# Altium PCB Main_Board.PcbDoc (part 18 of 19)
Units mil, origin at the board's own origin, x right, y up, seen from the top; angles counter-clockwise.
Board outline 5306 x 6610 mil, 12 copper layers ((L1) Top, (L2) Inner 1, (L3) Inner 2, (L4) Inner 3, (L5) Inner 4, (L6) Inner 5, (L7) Inner 6, (L8) Inner 7, (L9) Inner 8, (L10) Inner 9, (L11) Inner 10, (L12) Bottom), stack 94.81 mil thick; 347 components, 571 nets, 2611 pads, 4053 vias.
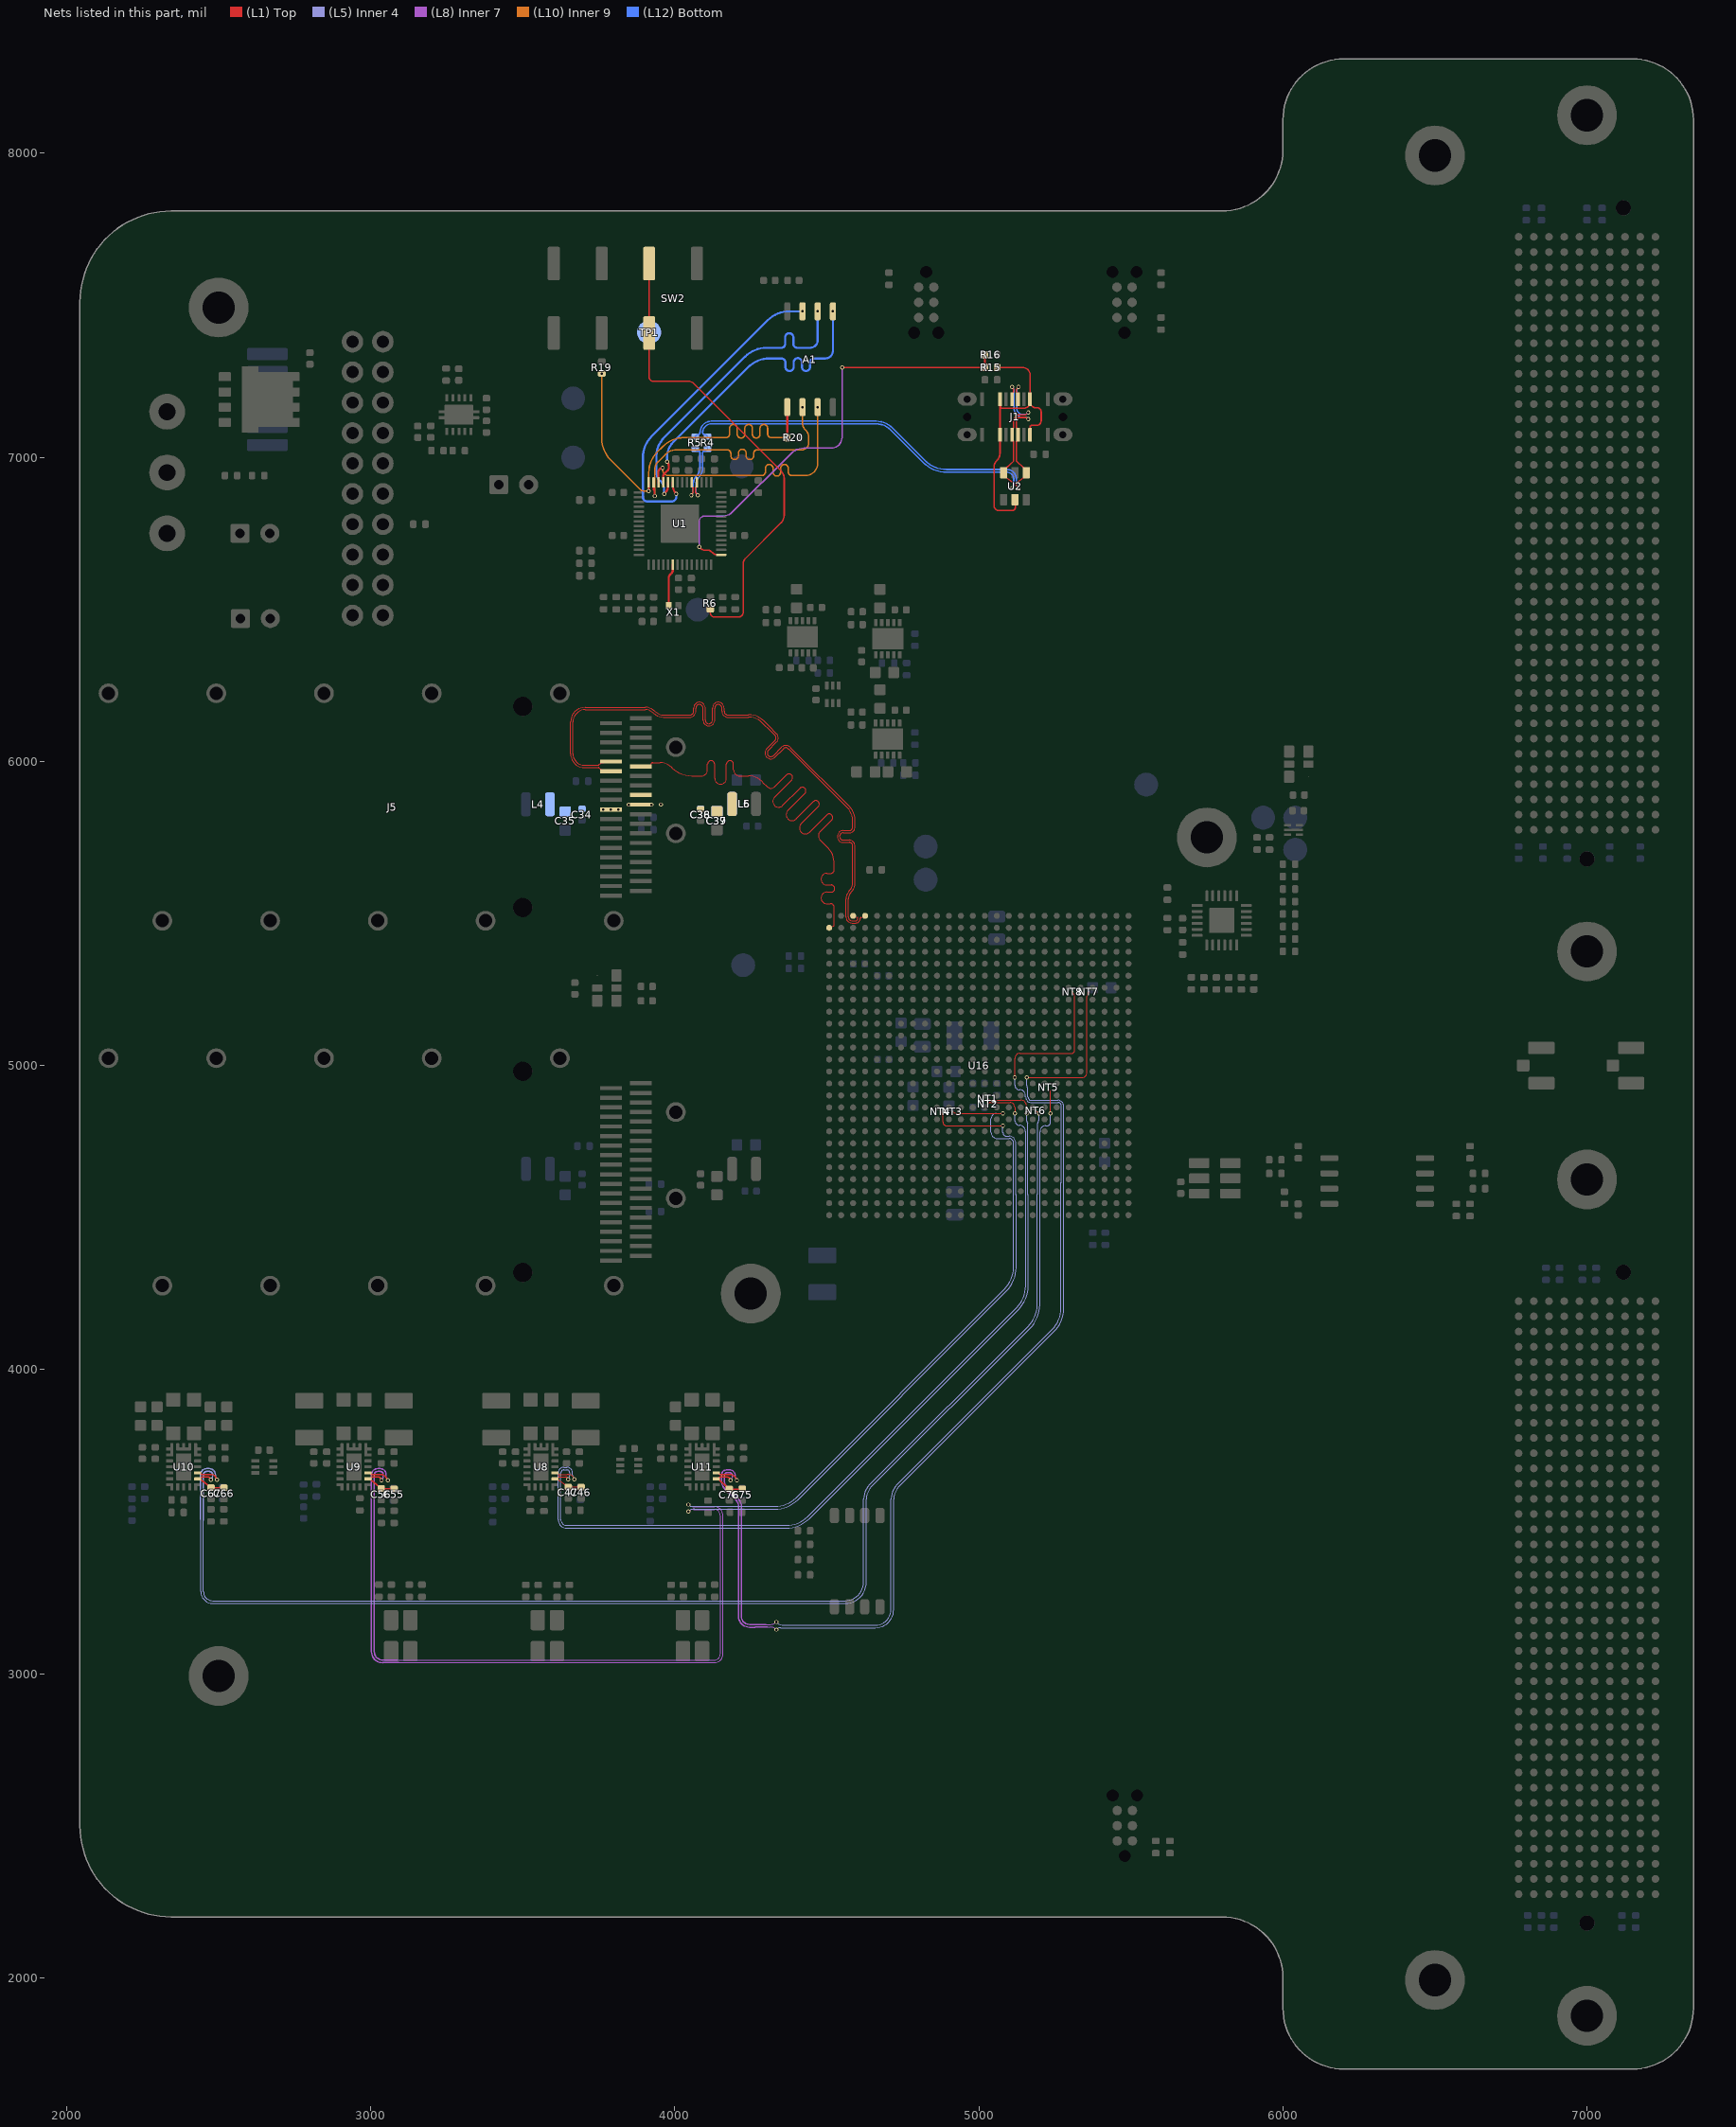
[diagram p28: the nets of this part, all layers, seen from the top]

## Via types
v1: diameter 13.78, hole 7.87, (L1) Top to (L12) Bottom, tented both sides, 4044 vias
v2: diameter 13.78, hole 7.87, (L1) Top to (L12) Bottom, tented bottom, 9 vias

## Nets (pads, with @x,y where several pads share a name; then routed paths per layer and width w, separated by ;. In a path a pad name is that pad's centre, name@x,y a point inside that pad or via, vN(x,y) a via of type N, cw(c..) or ccw(c..) an arc to the next point about the centre after c; other vN are vias at no path point) (continued)
QSFP_B_TX3_P: J5.33 U16.B1 | length 2056.2
  (L1) Top w3.5: J5.33@3888.58,5983.86 3922.27,5989 3924.12,5993.63 cw(c3927.37,5992.33) 3927.37,5995.83 3951.78,5995.83 cw(c3951.78,5941.78) 3990,5980 3991.08,5978.92 ccw(c4055,6042.86) 4034.71,5954.76 ccw(c4055,6042.86) 4055,5952.45 4083,5952.45 4088.53,5952.45 ccw(c4088.53,5971.75) 4107.83,5971.75 4107.83,5990.45 cw(c4119.58,5990.45) 4131.33,5990.45 4131.33,5944.18 ccw(c4150.63,5944.18) 4169.93,5944.18 4169.93,5990.45 cw(c4181.68,5990.45) 4193.43,5990.45 4193.43,5971.75 ccw(c4212.73,5971.75) 4212.73,5952.45 4235.35,5952.45 4242.3,5952.45 cw(c4242.3,5891.49) 4285.45,5934.55 4286.89,5933.11 4289.69,5930.31 4302.45,5917.55 ccw(c4316.12,5931.17) 4329.77,5917.52 4367.57,5955.32 cw(c4375.88,5947.01) 4384.18,5955.32 cw(c4375.88,5947.01) 4384.21,5938.73 4327.9,5882.42 ccw(c4341.55,5868.77) 4327.9,5855.12 ccw(c4341.55,5868.77) 4355.19,5855.12 ; 4355.21,5855.14 4411.48,5911.41 cw(c4419.79,5903.1) 4428.1,5911.41 cw(c4419.79,5903.1) 4428.12,5894.82 4371.81,5838.51 ccw(c4385.46,5824.86) 4371.81,5811.21 ccw(c4385.46,5824.86) 4399.1,5811.21 ; 4399.12,5811.23 4455.39,5867.5 cw(c4463.7,5859.19) 4472.03,5850.91 4415.72,5794.6 ccw(c4429.37,5780.95) 4415.72,5767.3 ccw(c4429.37,5780.95) 4443.02,5767.3 ; 4443.04,5767.32 4499.3,5823.59 cw(c4507.61,5815.28) 4515.92,5823.59 cw(c4507.61,5815.28) 4515.94,5806.99 4478.12,5769.17 ccw(c4491.77,5755.53) 4478.15,5741.85 4501.18,5718.82 4503.98,5716.02 4505.38,5714.62 cw(c4460.89,5670.02) 4523.88,5670.02 4523.88,5666 4523.88,5659.01 4523.98,5658.91 4523.98,5643.52 cw(c4512.23,5643.52) 4512.23,5631.77 4500.12,5631.77 ccw(c4500.12,5612.67) 4500.12,5593.57 4514.29,5593.57 cw(c4514.29,5581.82) 4514.29,5570.07 4500.12,5570.07 ccw(c4500.12,5550.97) 4500.12,5531.87 4512.23,5531.87 cw(c4512.23,5520.12) 4523.98,5520.12 4523.98,5518.29 4523.88,5518.19 4523.88,5514.69 4523.88,5461.45 ; U16.B1@4507.87,5452.76 4521.66,5458.13 4521.92,5458.26 ccw(c4520.38,5461.41) 4523.88,5461.38
QSFP_B_TX4_N: J5.5 U16.A4 | length 2120.6
  (L1) Top w3.5: J5.5@3790.16,5999.61 3756.47,5994.47 3751.04,5988.73 3750.76,5988.48 cw(c3748.47,5991.13) 3748.49,5987.63 3740,5987.63 3739.95,5987.58 3702.42,5987.58 cw(c3702.42,6025) 3665,6025 3665,6130 cw(c3705,6130) 3705,6170 3903.44,6170 cw(c3903.44,6132.44) 3930,6159 ccw(c3962.71,6191.71) 3962.71,6145.45 4044.56,6145.45 4050.09,6145.45 ccw(c4050.09,6164.75) 4069.39,6164.75 4069.39,6175.07 cw(c4081.14,6175.07) 4092.89,6175.07 4092.89,6135.57 ccw(c4112.19,6135.57) 4131.49,6135.57 4131.49,6175.07 cw(c4143.24,6175.07) 4154.99,6175.07 4154.99,6164.75 ccw(c4174.29,6164.75) 4174.29,6145.45 4195.53,6145.45 4243.2,6145.45 cw(c4243.2,6081.84) 4288.31,6126.69 4314.18,6100.82 4316.98,6098.02 4329.65,6085.35 cw(c4321.34,6077.04) 4329.65,6068.74 4302.31,6041.4 ccw(c4315.96,6027.76) 4302.31,6014.11 ccw(c4315.96,6027.76) 4329.61,6014.11 ; 4329.63,6014.13 4356.94,6041.44 cw(c4365.25,6033.13) 4373.56,6041.44 4374.66,6040.34 4377.46,6037.54 4568.56,5846.44 4568.62,5846.38 cw(c4529.08,5806.83) 4585,5806.42 ; 4585,5806.37 4585,5806 4585,5784.17 cw(c4573.25,5784.17) 4573.25,5772.42 4553.65,5772.42 ccw(c4553.65,5753.12) 4553.65,5733.82 4573.25,5733.82 cw(c4573.25,5722.07) 4585,5722.07 4585,5716.54 4585,5600.3 cw(c4549.7,5600.3) 4574.66,5575.34 ccw(c4602.74,5547.26) 4563.03,5547.26 4563.03,5488.62 ccw(c4583,5488.62) 4583,5468.65 4595.03,5468.65 ccw(c4595.03,5483.59) 4609.97,5483.59 cw(c4613.47,5483.59) 4612.2,5486.85 U16.A4@4625.98,5492.13
QSFP_B_TX4_P: J5.6 U16.A3 | length 2133.3
  (L1) Top w3.5: 3739.85,5980.23 3739.85,5980.03 ; 3739.95,5980.03 3739.85,5980.03 ; 3740,5980.08 3748.49,5980.08 cw(c3748.47,5976.58) 3750.75,5979.24 3751.04,5978.99 3756.47,5973.25 J5.6@3790.16,5968.11 ; U16.A3@4586.61,5492.13 4600.38,5486.86 cw(c4599.12,5483.59) 4602.62,5483.59 cw(c4595.03,5483.59) 4595.03,5476 4583,5476 cw(c4583,5488.62) 4570.38,5488.62 4570.38,5514.69 4570.58,5514.89 4570.58,5547.26 cw(c4602.74,5547.26) 4580,5570 ccw(c4549.7,5600.3) 4592.55,5600.3 4592.55,5716.54 4592.55,5722.07 ccw(c4573.25,5722.07) 4573.25,5741.37 4553.65,5741.37 cw(c4553.65,5753.12) 4553.65,5764.87 4573.25,5764.87 ccw(c4573.25,5784.17) 4592.55,5784.17 4592.55,5806 4592.55,5806.36 ccw(c4529.08,5806.83) 4573.97,5851.71 4573.91,5851.77 4382.8,6042.87 4380,6045.67 4378.9,6046.78 ccw(c4365.25,6033.13) 4351.6,6046.78 4324.24,6019.42 cw(c4315.96,6027.76) 4307.65,6019.45 cw(c4315.96,6027.76) 4307.65,6036.06 4334.98,6063.4 ccw(c4321.34,6077.04) 4334.99,6090.69 4322.32,6103.36 4319.51,6106.16 4293.65,6132.02 4293.61,6132.06 ccw(c4243.2,6081.84) 4243.2,6153 4195.53,6153 4174.29,6153 cw(c4174.29,6164.75) 4162.54,6164.75 4162.54,6175.07 ccw(c4143.24,6175.07) 4123.94,6175.07 4123.94,6135.57 cw(c4112.19,6135.57) 4100.44,6135.57 4100.44,6175.07 ccw(c4081.14,6175.07) 4061.84,6175.07 4061.84,6164.75 cw(c4050.09,6164.75) 4050.09,6153 4044.56,6153 3962.71,6153 cw(c3962.71,6191.71) 3935.34,6164.34 ccw(c3903.44,6132.44) 3903.44,6177.55 3705,6177.55 ccw(c3705,6130) 3657.45,6130 3657.45,6025 ccw(c3702.42,6025) 3702.42,5980.03 3739.85,5980.03
QSFP_B_VCCA1: C38.2 C39.2 J5.30 L6.1
QSFP_B_VCCRX: C34.2 C35.2 J5.10 L4.1
  other v1: 3765.16,5842.13 3790.16,5842.13 3815.16,5842.13
QSFP_B_VCCTX: C36.2 C37.2 J5.29 L5.1
  other v1: 3848.15,5857.87 3924.02,5857.87 3955,5858
RP2040_ECLK: U1.20 X1.3 | length 138.5
  (L1) Top w7: X1.3@3980.16,6512.31 3980.16,6601.9 cw(c4000.11,6601.9) 3985.98,6615.98 3990.17,6620.17 ccw(c3982.43,6627.91) 3993.38,6627.91 U1.20@3993.38,6646.67
RP2040_RUN: R6.2 SW2.1 SW2.2 TP1.1 | length 1594.5
  (L1) Top w4: SW2.2@3915.78,7408.83 SW2.1@3915.78,7637.17
  (L1) Top w5: SW2.2@3915.78,7408.83 ccw(c3915.78,7408.05) 3915,7408.05 3915,7265 ccw(c3930,7265) 3930,7250 4045,7250 cw(c4045,7225.86) 4062.07,7242.93 4350,6955 cw(c4325.86,6930.86) 4360,6930.86 4360,6810 cw(c4323.79,6810) 4349.39,6784.39 4232.07,6667.07 ccw(c4249.14,6650) 4225,6650 4225,6490 cw(c4210,6490) 4210,6475 4130,6475 cw(c4130,6488.14) 4116.86,6488.14 R6.2@4116.86,6500.15
  other v1: 3915.58,7410.79
RP2040_SPI_C\S\: A1.1 R19.2 R20.1 U1.56 | length 1366.1
  (L1) Top w7: v1(3914.55,6889.06) 3914.59,6889.11 U1.56@3914.64,6917.33 U1.56@3914.64,6917.33 ; v1(4369.92,7064.66) 4370,7064.66 A1.1@4370,7165.04
  (L10) Inner 9 w5: v1(3760,7275) 3760,7061.42 ccw(c3860,7061.42) 3789.29,6990.71 3885,6895 ccw(c3899.34,6909.34) 3899.34,6889.06 v1(3914.55,6889.06) 3914.55,6949.14 cw(c4012.1,6949.14) 3943.12,7018.12 3960.37,7035.37 cw(c4031.08,6964.66) 4031.08,7064.66 4165.38,7064.66 4167.88,7064.66 ccw(c4167.88,7077.16) 4180.38,7077.16 4180.38,7095.47 cw(c4192.88,7095.47) 4205.38,7095.47 4205.38,7075.97 ccw(c4217.88,7075.97) 4230.38,7075.97 4230.38,7095.47 cw(c4242.88,7095.47) 4255.38,7095.47 4255.38,7075.97 ccw(c4267.88,7075.97) 4280.38,7075.97 4280.38,7095.47 cw(c4292.88,7095.47) 4305.38,7095.47 4305.38,7077.16 ccw(c4317.88,7077.16) 4317.88,7064.66 4345,7064.66 v1(4369.92,7064.66)
RP2040_SPI_CLK: A1.6 U1.52 | length 1046.3
  (L1) Top w7: v1(3965,6880) 3970,6885 ccw(c3951.58,6903.42) 3977.63,6903.42 U1.52@3977.63,6917.33
  (L12) Bottom w7: v1(3965,6880) 3965,6895.86 ccw(c3930.86,6895.86) 3955,6920 3947.07,6927.93 cw(c3964.14,6945) 3940,6945 3940,7004.64 cw(c4025.36,7004.64) 3965,7065 4230.71,7330.71 cw(c4301.42,7260) 4301.42,7360 4345.99,7360 4349.49,7360 ccw(c4349.49,7373.5) 4362.99,7373.5 4362.99,7394.65 cw(c4376.49,7394.65) 4389.99,7394.65 4389.99,7373.5 ccw(c4403.49,7373.5) 4403.49,7360 4421.46,7360 4445,7360 ccw(c4445,7385) 4470,7385 v1(4470,7480)
RP2040_SPI_D0: A1.5 U1.53 | length 1046.3
  (L1) Top w7: U1.53@3961.88,6917.33 3961.88,6937.47 cw(c3972.53,6937.47) 3965,6945 3976.46,6956.46 ccw(c3967.93,6965) 3980,6965 3980,6972.93 ccw(c3962.93,6972.93) v1(3975,6985)
  (L12) Bottom w7: v1(3975,6985) 3975,7001.72 cw(c4043.28,7001.72) 3995,7050 4240.71,7295.71 cw(c4311.42,7225) 4311.42,7325 4320,7325 4350.5,7325 cw(c4350.5,7311.5) 4364,7311.5 4364,7297.19 ccw(c4377.5,7297.19) 4391,7297.19 4391,7312.82 cw(c4404.5,7312.82) 4418,7312.82 4418,7297.19 ccw(c4431.5,7297.19) 4445,7297.19 4445,7311.5 cw(c4458.5,7311.5) 4458.5,7325 4484,7325 4495,7325 ccw(c4495,7350) 4520,7350 v1(4520,7480)
RP2040_SPI_D1: A1.2 U1.55 | length 899.5
  (L1) Top w7: U1.55@3930.39,6917.33 3930.39,6897.75 ccw(c3937.39,6897.75) 3930.82,6895.32 cw(c3914.55,6889.06) 3931.3,6893.89 cw(c3925.05,6887.65) 3933.89,6887.65 v1(3933.89,6872.69)
  (L10) Inner 9 w5: v1(3933.89,6872.69) 3933.89,6959.38 cw(c3968.9,6959.38) 3944.14,6984.14 3970,7010 cw(c4006.21,6973.79) 4006.21,7025 4144.37,7025 4171.87,7025 cw(c4171.87,7012.5) 4184.37,7012.5 4184.37,7005.25 ccw(c4196.87,7005.25) 4209.37,7005.25 4209.37,7014.18 cw(c4221.87,7014.18) 4234.37,7014.18 4234.37,7005.25 ccw(c4246.87,7005.25) 4259.37,7005.25 4259.37,7012.5 cw(c4271.87,7012.5) 4271.87,7025 4330,7025 4420,7025 ccw(c4420,7045) 4440,7045 4440,7065.86 ccw(c4405.86,7065.86) 4430,7090 cw(c4454.14,7114.14) 4420,7114.14 v1(4420,7165)
  (L12) Bottom w7: v1(3933.89,6872.69) ccw(c3937.69,6872.69) v1@3935,6870
RP2040_SPI_D2: A1.3 U1.54 | length 896.3
  (L1) Top w7: U1.54@3946.13,6917.33 3946.13,6951.13 cw(c3960,6951.13) v1(3960,6965)
  (L10) Inner 9 w5: v1(3960,6965) 3960,6960 ccw(c3980,6960) 3980,6940 4241.28,6940 4285.68,6940 ccw(c4285.68,6952.5) 4298.18,6952.5 4298.18,6964.03 cw(c4310.68,6964.03) 4323.18,6964.03 4323.18,6950.91 ccw(c4335.68,6950.91) 4348.18,6950.91 4348.18,6964.03 cw(c4360.68,6964.03) 4373.18,6964.03 4373.18,6952.5 ccw(c4385.68,6952.5) 4385.68,6940 4413.19,6940 4430,6940 ccw(c4430,6980) 4470,6980 v1(4470,7165)
RP2040_SPI_D3: A1.7 U1.51 | length 1046.2
  (L1) Top w7: U1.51@3993.38,6917.33 3993.38,6908.06 ccw(c4033.06,6908.06) v1(4005,6880)
  (L12) Bottom w7: v1(4005,6880) 4005,6870 cw(c3990,6870) 3990,6855 3910,6855 cw(c3910,6870) 3895,6870 3895,6998.58 cw(c3995,6998.58) 3924.29,7069.29 4305.71,7450.71 cw(c4376.42,7380) 4376.42,7480 v1(4420,7480)
RP2040_USB_N: R4.2 U1.46 | length 215
  (L1) Top w5: U1.46@4072.12,6917.33 4072.12,6906.49 cw(c4066.23,6906.49) 4070.39,6902.32 ccw(c4074.56,6898.16) 4068.67,6898.16 4068.67,6885.83 ccw(c4073.67,6885.83) 4069.7,6882.78 v1(4075.68,6875)
  (L12) Bottom w5: v1(4075.68,6875) ccw(c4072.47,6875) 4074.74,6877.27 cw(c4086.93,6889.46) 4069.69,6889.46 4069.69,6912.94 cw(c4098.06,6912.94) 4078,6933 4078.08,6933.08 ccw(c4044.69,6966.47) 4091.91,6966.47 4091.91,7014.46 cw(c4098.9,7014.46) 4093.96,7019.41 4094.02,7019.47 cw(c4098.81,7014.69) 4098.81,7021.45 ccw(c4098.81,7028.22) 4103.58,7023.43 R4.2@4108,7027.85
RP2040_USB_P: R5.1 U1.47 | length 214.2
  (L1) Top w5: v1(4054.85,6875) cw(c4060.54,6875) 4056.51,6879.01 4057.34,6879.84 ccw(c4051.34,6885.83) 4059.82,6885.83 4059.82,6898.16 ccw(c4053.93,6898.16) 4058.09,6902.32 cw(c4062.26,6906.49) 4056.37,6906.49 U1.47@4056.37,6917.33
  (L12) Bottom w5: v1(4054.85,6875) cw(c4058.07,6875) 4055.79,6877.27 ccw(c4043.61,6889.46) 4060.84,6889.46 4060.84,6913 cw(c4097.93,6913) 4071.7,6939.22 4071.74,6939.26 ccw(c4044.42,6966.58) 4083.06,6966.58 4083.06,7014.46 ccw(c4076.07,7014.46) 4081.01,7019.41 4080.94,7019.47 ccw(c4076.16,7014.69) 4076.16,7021.45 cw(c4076.16,7028.22) 4071.39,7023.43 R5.1@4066.97,7027.85
USB_CONN: R15.1 R16.2 U1.29 | length 1493.6
  (L1) Top w4: v1(4080,6705) 4085,6700 ccw(c4097.07,6712.07) 4097.07,6695 4110,6695 cw(c4110,6682.93) 4118.54,6691.46 4125,6685 ccw(c4137.95,6697.95) 4137.95,6679.64 U1.29@4152.33,6679.64 ; v1(4550,7295) 5018.89,7295 ccw(c5018.89,7296.03) R15.1@5019.92,7296.03
  (L1) Top w5: R15.1@5019.92,7296.03 R16.2@5019.92,7337.07
  (L8) Inner 7 w4: v1(4080,6705) 4080,6787 cw(c4100,6787) 4100,6807 4158.62,6807 ccw(c4158.62,6851.38) 4190,6820 4382.32,7012.32 cw(c4425,6969.64) 4425,7030 4515,7030 ccw(c4515,7065) 4550,7065 v1(4550,7295)
USB_N: J1.A7 J1.B7 R4.1 U2.3 | length 1643.2
  (L1) Top w5: v1(5109.61,6898) cw(c5115.35,6898) 5111.29,6902.06 5112.09,6902.86 ccw(c5106.1,6908.85) 5114.57,6908.85 5114.57,6913.45 ccw(c5109.57,6913.45) 5112.54,6917.48 ; 5112.52,6917.5 5090.46,6933.54 U2.3@5081.6,6949.29 5090.46,6965.04 5114.57,6988 5114.57,7048.55 ccw(c5105.33,7048.55) 5111.87,7055.09 cw(c5118.41,7061.63) 5109.16,7061.63 J1.B7@5109.16,7074.54 5109.16,7087.44 cw(c5118.41,7087.44) 5111.87,7093.98 ccw(c5105.33,7100.52) 5114.58,7100.52 5114.57,7119.43 cw(c5135,7119.43) 5135,7139.85 5152.17,7139.85 ccw(c5152.17,7144.85) 5155.22,7140.88 v1(5163,7146.86) ; J1.A7@5128.84,7191.46 5128.84,7204.37 ccw(c5119.59,7204.37) 5126.13,7210.91 cw(c5132.67,7217.45) 5123.42,7217.45 5123.43,7221.17 cw(c5128.43,7221.17) 5124.46,7224.22 v1(5130.44,7232)
  (L12) Bottom w5: R4.1@4108,7068 4103.58,7072.42 ccw(c4098.81,7067.63) 4098.81,7074.4 cw(c4098.81,7081.16) 4094.02,7076.38 cw(c4099.13,7081.48) 4091.91,7081.48 cw(c4120.43,7081.48) 4120.43,7110 4661.72,7110 cw(c4661.72,7041.72) 4710,7090 4817,6983 ccw(c4893.9,7059.9) 4893.9,6951.15 5091.85,6951.15 cw(c5091.85,6928) 5115,6928 5115,6908.11 cw(c5106.82,6908.11) 5112.6,6902.32 5110.55,6900.27 ccw(c5112.82,6898) v1(5109.61,6898) ; v1(5130.44,7232) cw(c5127.22,7232) 5129.5,7229.73 ccw(c5141.68,7217.54) 5124.45,7217.54 5124.45,7161.48 ccw(c5145.06,7161.48) 5130.48,7146.91 ccw(c5145.06,7161.48) 5145.06,7140.87 5151.45,7140.87 ccw(c5151.45,7151.1) v1@5158.68,7143.87
USB_P: J1.A6 J1.B6 R5.2 U2.1 | length 1670.6
  (L1) Top w5: J1.A6@5109.16,7191.46 5109.16,7204.37 cw(c5118.41,7204.37) 5111.87,7210.91 ccw(c5105.33,7217.45) 5114.58,7217.45 5114.57,7221.17 ccw(c5106.1,7221.17) 5112.09,7227.16 5111.27,7227.99 cw(c5115.29,7232) v1(5109.61,7232) ; 5125.45,6917.48 ccw(c5128.43,6913.45) 5123.43,6913.45 5123.43,6908.85 ccw(c5128.43,6908.85) 5124.46,6905.81 v1(5130.44,6898) ; 5125.48,6917.5 5147.54,6933.54 U2.1@5156.4,6949.29 5147.54,6965.04 5123.43,6988 5123.43,7048.55 cw(c5132.67,7048.55) 5126.13,7055.09 ccw(c5119.59,7061.63) 5128.84,7061.63 J1.B6@5128.84,7074.54 5128.84,7087.44 ccw(c5119.59,7087.44) 5126.13,7093.98 cw(c5132.67,7100.52) 5123.42,7100.52 5123.43,7119.43 cw(c5135,7119.43) 5135,7131 5152.17,7131 cw(c5152.17,7122.52) 5158.16,7128.52 5158.98,7127.7 ccw(c5163,7131.72) v1(5163,7126.03)
  (L12) Bottom w5: R5.2@4066.97,7068 4071.39,7072.42 cw(c4076.16,7067.63) 4076.16,7074.4 ccw(c4076.16,7081.16) 4080.94,7076.38 ccw(c4075.84,7081.48) 4083.06,7081.48 cw(c4120.43,7081.48) 4120.43,7118.85 4661.89,7118.85 cw(c4661.89,7042.13) 4716.14,7096.38 4823.23,6989.29 ccw(c4893.94,7060) 4893.94,6960 5091.85,6960 cw(c5091.85,6928) 5123.85,6928 5123.85,6911 ccw(c5136.12,6911) 5127.44,6902.32 5129.5,6900.27 cw(c5127.22,6898) v1(5130.44,6898) ; v1(5109.61,7232) ccw(c5112.82,7232) 5110.55,7229.73 cw(c5098.36,7217.54) 5115.6,7217.54 5115.6,7161.4 ccw(c5144.85,7161.4) 5124.17,7140.71 5124.79,7140.09 ccw(c5144.27,7159.58) 5144.27,7132.02 5151.45,7132.02 cw(c5151.45,7121.8) v1@5158.68,7129.03
USB_VBUS: J1.A4 J1.A9 J1.B4 J1.B9 R15.2 U2.5 | length 979.8
  (L1) Top w5: R15.2@5060.08,7296.03 5065.39,7295 5145,7295 cw(c5145,7271.79) 5168.21,7271.79 J1.A9@5168.21,7191.46 J1.A9@5168.21,7185.8 ; U2.5@5119,6860.71 cw(c5119,6859.71) 5120,6859.71 5120,6835 cw(c5110,6835) 5110,6825 5065,6825 cw(c5065,6840) 5050,6840 5050,6970 cw(c5074.14,6970) 5057.07,6987.07 5060,6990 ccw(c5036.37,7013.63) 5069.79,7013.63 J1.B9@5069.79,7074.54 J1.A4@5069.79,7191.46 5072,7189.25 5072,7162 5150,7162 ccw(c5150,7180.21) 5168.21,7180.21 J1.A9@5168.21,7185.8 ; J1.B4@5168.21,7074.54 5168,7074.54 5168,7099 cw(c5174,7099) 5174,7105 5190,7105 ccw(c5190,7120) 5205,7120 5205,7150 ccw(c5192,7150) 5192,7163 5185.66,7163 cw(c5185.66,7176.66) 5176,7167 cw(c5194.8,7185.8) J1.A9@5168.21,7185.8
VSEN_1V0_N: C46.2 C47.2 NT2.1 U8.2 | length 2948.7
  (L1) Top w3.5: v1(3649,3638.89) ccw(c3641.09,3638.89) 3641.09,3646.8 3620.32,3646.8 ccw(c3620.32,3642.08) 3616.99,3645.42 ccw(c3618.6,3643.8) 3616.32,3643.8 3614.74,3642.22 cw(c3610.91,3646.04) 3610.91,3640.63 U8.2@3606.26,3640.63 3616.32,3637.46 3643.04,3619.43 C47.2@3649.73,3613.91 C46.2@3692.15,3613.91 ; NT2.1@5030,4874 5030.48,4874.48 cw(c5038.98,4865.97) 5038.98,4878 5103,4878 cw(c5103,4863) 5118,4863 v1(5118.43,4842.2)
  (L5) Inner 4 w3.5: v1(3649,3638.89) ccw(c3634.48,3653.41) 3655.01,3653.41 3655.01,3659.99 ccw(c3645,3659.99) 3645,3670 3635,3670 ccw(c3635,3660) 3625,3660 3625,3507 ccw(c3644.46,3507) 3644.46,3487.54 4366.12,3487.54 ccw(c4366.12,3587.54) 4436.83,3516.83 5124.61,4204.61 ccw(c5053.9,4275.32) 5153.9,4275.32 5153.9,4783.1 5153.71,4783.29 ccw(c5134,4783.29) 5134,4803 cw(c5134,4818) 5119,4818 5119,4842.2 v1(5118.43,4842.2)
VSEN_1V0_P: NT1.1 U8.3 | length 2961.1
  (L1) Top w3.5: U8.3@3606.26,3660.32 3610.91,3660.32 cw(c3610.91,3654.9) 3614.74,3658.73 3616.32,3657.14 ccw(c3618.6,3657.14) 3616.99,3655.53 ccw(c3620.32,3658.86) 3620.32,3654.15 3644.96,3654.15 ccw(c3644.96,3657.65) 3645.7,3654.23 cw(c3649,3638.89) 3650.85,3654.47 3654.43,3654.04 cw(c3652.65,3639.01) 3666.03,3646.08 v1(3669.83,3638.89) ; NT1.1@5030,4891 5032.19,4888.81 ccw(c5038.97,4895.6) 5038.97,4886 5138,4886 cw(c5138,4867) 5157,4867 5157,4863 v1(5157.43,4842.2)
  (L5) Inner 4 w3.5: v1(3669.83,3638.89) cw(c3684.34,3653.41) 3663.81,3653.41 3663.81,3659.99 ccw(c3645,3659.99) 3645,3678.8 3635,3678.8 ccw(c3635,3660) 3616.2,3660 3616.2,3507 ccw(c3644.46,3507) 3644.46,3478.74 4366.12,3478.74 ccw(c4366.12,3587.54) 4443.06,3510.61 5130.84,4198.39 ccw(c5053.9,4275.32) 5162.7,4275.32 5162.7,4573.55 ccw(c5161.25,4573.55) 5161.25,4575 5161.25,4783.29 5161.45,4783.48 5161.45,4808.51 ccw(c5156.51,4808.51) 5160,4812 cw(c5166.22,4818.22) 5157.43,4818.22 v1(5157.43,4842.2)
VSEN_1V8_N: C55.2 C56.2 NT4.1 U9.2 | length 4694.4
  (L1) Top w3.5: NT4.1@4875,4849 cw(c4858.1,4832.1) 4882,4832.1 4882,4814 ccw(c4894,4814) 4894,4802 v1(5079,4802)